# Allegro board HI3516AREFB VER.D.brd (continued)
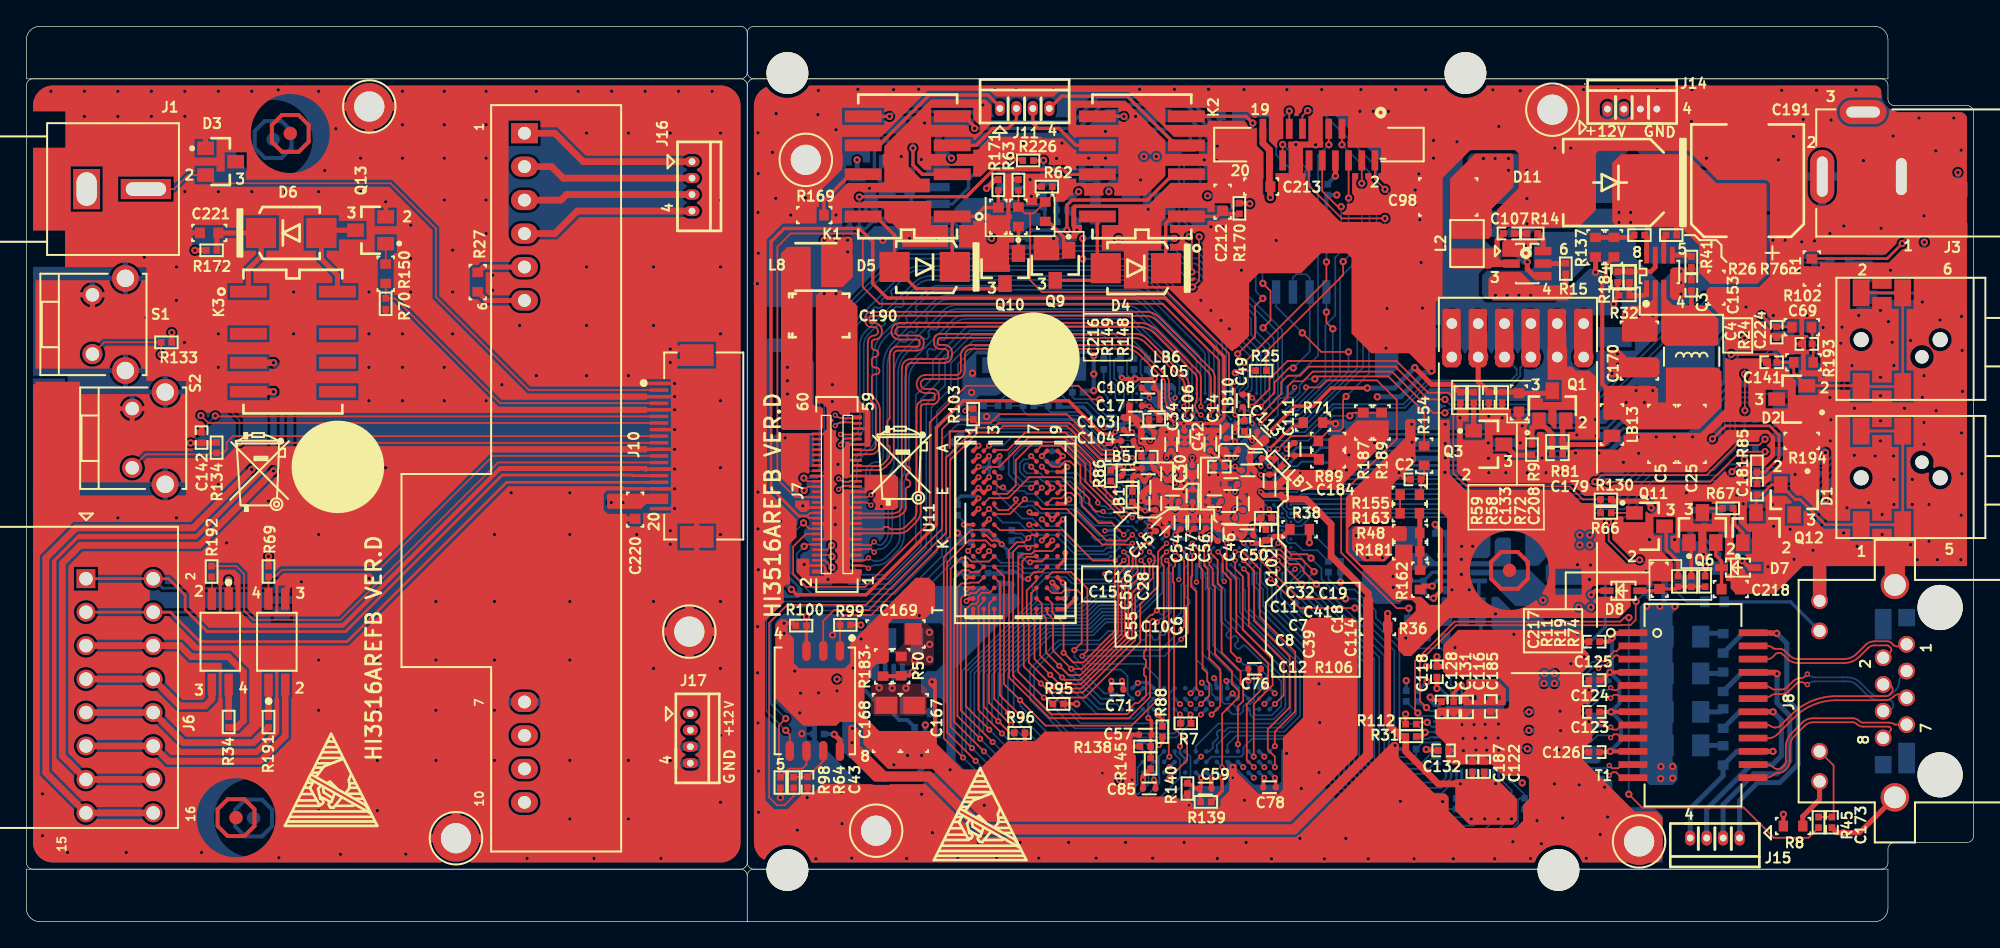
[diagram p0: board, top side]
## Routing (per net, layer and track width the routed paths; a pad name or vN(x,y) marks a point on that pad's centre or on a via; arc(x,y) is an arc through that point) (continued)
PGND: length 186.1
  TOP w0.203: J10.17 46.93,32.86
  TOP w0.254: 46.78,40.86 J10.1 v1(49.18,40.86) ; 46.76,39.86 J10.3 v1(49.18,39.86) ; J10.20 v1(49.18,31.36) ; v1(49.18,35.86) J10.11 46.82,35.86 ; J10.17 v1(49.18,32.86) ; v1(49.18,34.36) J10.14 46.93,34.36 ; v1(49.18,38.86) J10.5 46.74,38.86 ; J10.8 v1(49.18,37.36)
  TOP w0.305: Q13.2 v1(27.26,54.65)
  TOP w0.381: S1.1 6.11,47.59 ; S1.1 3.92,47.59 ; S1.1 5.01,46.5 ; D3.1 13.6,59.94 ; 8.03,37.86 S2.1 ; S2.1 6.94,38.95 ; S2.1 9.12,38.95 ; R70.1 27.26,45.89 ; C221.2 12.36,52.29 ; 50.86,30.42 J10.21 50.86,27.76 ; v1(20.86,25.8) 20.25,25.8 19.64,25.19 U9.3 ; 12.71,37.16 C142.2 13.29,37.74 ; C220.2 45.1,30.58
  TOP w0.508: v1(48.85,43.47) 50.4,43.47 J10.22 50.31,42.46 v1(48.85,42.46)
  TOP w0.635: 23.91,61.88 M10.1 ; M10.1 26.02,59.77 ; M10.1 28.13,61.88 ; M11.1 50.3,24.13 ; M11.1 48.19,22.02 ; M11.1 50.3,19.91 ; M11.1 52.41,22.02 ; M9.1 34.7,6.33 ; M9.1 32.6,8.44 ; M9.1 30.49,6.33
  GND03 w0.381: S2.4 10.53,34.55 ; S2.4 10.53,31.86 ; S2.4 11.88,33.2 ; S2.4 9.19,33.2 ; S1.4 7.51,43.18 ; S1.4 6.17,41.84 ; S1.4 7.51,40.49 ; S1.4 8.86,41.84 ; S2.1 8.03,40.04 ; S2.1 6.94,38.95 ; S2.1 8.03,37.86 ; S2.1 9.12,38.95 ; 3.92,47.59 S1.1 ; S1.1 5.01,48.68 ; S1.1 6.11,47.59 ; S1.1 5.01,46.5 ; M9.1 32.6,9.44 ; M9.1 35.07,6.33 ; M9.1 30.25,6.33 ; M11.1 52.41,22.02 ; M11.1 48.19,22.02 ; M11.1 50.3,24.13 ; M11.1 50.3,19.91 ; J17.4 50.38,11.1 ; J17.4 49.54,12.04 ; J17.4 51.44,12.04 ; J1.2 4.57,57.47 ; J1.2 3.23,55.61 ; J1.2 5.92,55.61 ; J1.2 4.57,53.76 ; 9.19,40.2 S2.3 ; S2.3 11.88,40.2 ; S2.3 10.53,41.55 ; S2.3 10.53,38.86 ; U1.7 37.79,15.68 ; U1.7 37.79,17.82 ; U1.7 36.54,16.68 ; U1.7 39.21,16.68 ; 23.91,61.88 M10.1 ; M10.1 28.13,61.88 ; M10.1 26.02,59.77 ; 49.46,13.29 J17.3 51.49,13.29
  BOTTOM w0.381: 6.94,38.95 S2.1 ; S2.1 9.12,38.95 ; S2.1 8.03,40.04 ; S2.4 11.88,33.2 ; S2.4 10.53,34.55 ; S2.4 9.19,33.2 ; S2.4 10.53,31.86 ; S1.4 7.51,43.18 ; S1.4 7.51,40.49 ; S1.4 6.17,41.84 ; S1.4 8.86,41.84 ; S1.3 7.51,50.18 ; S1.3 6.17,48.84 ; S1.3 7.51,47.49 ; S1.3 8.86,48.84 ; 4.63,38.88 J12.4 5.8,38.02 ; S2.3 10.53,41.55 ; S2.3 10.53,38.86 ; S2.3 11.88,40.2 ; S2.3 9.19,40.2 ; S1.1 5.01,48.68 ; S1.1 3.92,47.59 ; S1.1 6.11,47.59 ; S1.1 5.01,46.5
  BOTTOM w0.635: M10.1 28.13,61.88 ; M10.1 26.02,59.77 ; M10.1 23.91,61.88 ; 39.34,16.68 U1.7 36.31,16.68 ; 49.4,13.29 J17.3 51.47,13.29 ; M11.1 50.3,24.9 ; M11.1 52.9,22.02 ; M11.1 47.87,22.02 ; M11.1 50.3,19.53 ; M9.1 30.17,6.33 ; M9.1 32.6,9.22 ; M9.1 35.2,6.33 ; 51.47,12.04 J17.4 49.46,12.04
  vias: v1(1.23,9.7) v1(1.23,6.52) v1(1.86,63.04) v1(3.13,5.25) v1(4.4,63.04) v1(4.4,61.13) v1(6.94,63.04) v1(6.94,61.13) v1(6.94,30.65) v1(7.58,5.25) v1(8.95,50.44) v1(9.08,45.87) v1(9.48,63.04) v1(9.48,61.13) v1(11.39,49.7) v1(11.39,47.16) v1(11.39,30.65) v1(12.02,63.04) v1(12.02,61.13) v1(12.02,55.42) v1(12,43.96) v1(13.29,5.25) v1(14.56,63.04) v1(14.56,55.42) v1(14.56,49.7) v1(14.56,47.16) v1(14.56,44.62) v1(14.56,42.08) v1(14.56,33.19) v1(15.2,28.75) v1(17.1,63.04) v1(17.1,55.42) v1(18.37,31.92) v1(19.11,63.14) v1(19.16,4.85) v1(19.64,55.42) v1(20.28,47.8) v1(20.28,44.62) v1(22.18,63.04) v1(22.18,55.42) v1(22.18,34.46) v1(22.18,29.38) v1(22.18,19.86) v1(22.18,16.05) v1(22.18,12.24) v1(22.18,8.43) v1(22.64,57.02) v1(23.48,60.19) v1(23.83,5.11) v1(25.36,57.96) v1(25.36,55.42) v1(25.99,47.8) v1(25.99,44.62) v1(25.99,42.08) v1(25.99,39.54) v1(26.02,26.06) v1(26.63,19.86) v1(26.63,16.05) v1(26.63,12.24) v1(26.63,8.43) v1(27.26,34.46) v1(28.53,63.04) v1(28.53,60.5) v1(28.53,57.96) v1(28.53,44.62) v1(28.53,42.08) v1(28.53,39.54) v1(28.79,5.13) v1(29.17,52.88) v1(29.17,50.34) v1(29.17,47.8) v1(31.07,24.3) v1(31.07,19.86) v1(31.07,16.05) v1(31.07,12.24) v1(31.71,63.04) v1(31.71,60.5) v1(31.71,57.96) v1(31.71,54.78) v1(31.71,42.08) v1(31.71,39.54) v1(32.34,50.97) v1(32.34,47.8) v1(32.34,44.62) v1(34.88,63.04) v1(34.88,60.5) v1(34.88,57.96) v1(34.88,54.78) v1(34.88,52.24) v1(34.88,39.54) v1(35.39,49.07) v1(35.39,47.93) v1(35.52,29.38) v1(35.52,24.3) v1(35.52,19.86) v1(35.52,16.05) v1(35.52,12.24) v1(36.08,40.76) v1(36.79,32.56) v1(37.42,45.26) v1(37.99,4.8) v1(38.69,63.04) v1(38.69,41.45) v1(41.23,32.56) v1(41.23,29.38) v1(41.23,24.3) v1(41.23,19.86) v1(41.23,12.24) v1(41.23,7.79) v1(41.87,63.04) v1(42.5,59.86) v1(42.5,49.7) v1(42.5,45.26) v1(42.5,41.45) v1(43.07,4.8) v1(44.41,63.04) v1(45.68,59.86) v1(45.68,41.45) v1(45.68,12.24) v1(45.68,7.79) v1(46.31,29.38) v1(46.95,63.04) v1(47.58,49.7) v1(47.58,45.26) v1(47.58,24.3) v1(47.58,19.22) v1(48.15,4.8) v1(48.85,59.86) v1(48.85,29.67) v1(48.85,28.66) v1(48.85,12.24) v1(49.49,63.04) v1(52.03,63.04) v1(52.66,59.86) v1(52.66,54.78) v1(52.66,49.7) v1(52.66,44.62) v1(52.66,39.54) v1(52.66,34.46) v1(52.66,29.38) v1(52.66,24.3) v1(52.66,19.22) v1(52.66,14.14) v1(52.66,9.06)
A-_WHITE: length 21.8
  TOP w0.254: K1.4 71.15,61.13 71.94,60.35 v1(71.94,60.22)
  BOTTOM w0.254: v1(71.94,60.22) 79.81,60.22 81.62,62.02 87.97,62.02 89.56,60.43 U13.2
A_RED: length 8.2
  TOP w0.254: K2.5 83.27,61.13 v1(83.27,61.13)
  BOTTOM w0.254: v1(83.27,61.13) 84.23,60.17 87.76,60.17 88.31,59.62 U13.16
AC_MIC_IN: length 56.2
  TOP w0.203: v1(129.35,43.06) 132.71,43.06 132.82,42.95 C141.1 R193.1 134.09,41.68 135.08,40.69 139.15,40.69 J5.1 J5.3 J5.4 J5.2
  BOTTOM w0.203: v1(129.35,43.06) 129.22,42.93 129.22,40.75 125.94,37.46 121.19,37.46 119.95,36.22 117.25,36.22 116.78,35.74 102.86,35.74 C182.2
AC_MICBIAS: length 44.4
  TOP w0.203: v1(131.66,46.02) 132.52,45.16 C224.1 133.94,45.16 R102.2
  BOTTOM w0.203: U8.R22 96.38,35.99 97.44,35.99 98.05,36.6 C214.1 100.9,36.6 101.3,37 114.13,37 114.61,37.49 119.95,37.49 120.91,38.45 125.56,38.45 128.4,41.29 128.4,44.12 130.31,46.02 v1(131.66,46.02)
AC_OUTL: length 46.4
  TOP w0.203: C181.2 131.31,34.13 R85.2 131.91,34.13 132.98,35.2 132.98,36.93 132.27,37.64 128.91,37.64 v1(127.92,36.65)
  BOTTOM w0.152: C33.1 96.75,34.92 96.4,34.57 95.15,34.57 94.96,34.76 94.96,35.04 94.78,35.22 94.32,35.22 U8.R19
  BOTTOM w0.203: C33.1 98.27,34.86 100.53,34.86 101.05,34.34 103.61,34.34 103.92,34.64 119.79,34.64 121.32,36.17 127.44,36.17 v1(127.92,36.65)
AC_VREF: length 3.1
  TOP w0.203: v2(95.61,35.22) 95.78,35.39 96.22,35.39 C111.1 97.78,35.39 C184.1
  BOTTOM w0.203: U8.R21 v2(95.61,35.22)
ALARM_IN: length 15.3
  TOP w0.508: J6.9 J6.10 11.91,13.59 17.21,13.59 R191.2
ALARM_IN_CON: length 35.1
  TOP w0.127: J10.12 35.39,35.36 26.75,26.72 19.39,26.72 18.85,26.18 R69.1 18.37,26.17 U9.4
ALARM_IN_GND: length 20.3
  TOP w0.508: J6.11 J6.12 10.77,12.19 17.74,12.19 19.64,14.09 U9.2
ALARM_OUT: length 17.8
  TOP w0.508: R34.2 15.36,14.75 15.96,14.75 16.47,15.25 16.47,18.97 15.32,20.11 12.51,20.11 11.67,20.96 J6.6 J6.5
ALARM_OUT_CON: length 42.2
  TOP w0.127: R192.1 15.93,26.99 16.52,26.4 16.52,23.62 17.23,22.91 23.83,22.91 35.78,34.86 J10.13
ALARM_OUT_GND: length 11.7
  TOP w0.508: U10.3 14.08,16.89 13.57,16.38 11.66,16.38 J6.8 J6.7
B-_GREEN: length 29.4
  TOP w0.254: v1(65.49,61.13) K1.5
  BOTTOM w0.254: U13.3 90.06,60.57 88.04,62.58 81.29,62.58 79.43,60.73 72.45,60.73 71.69,61.49 65.84,61.49 v1(65.49,61.13)
B_BLACK: length 7.9
  TOP w0.254: v1(93.05,60.63) 92.54,61.13 K2.4
  BOTTOM w0.254: v1(93.05,60.63) 93.05,60.14 91.98,59.08 U13.5
CONT+: length 16.4
  TOP w0.254: v1(78.95,52.5) 78.95,54.4 79.33,54.78 85.05,54.78 87,56.73 K2.2
  BOTTOM w0.254: R206.1 C248.1 76,52.22 76.28,52.5 v1(78.95,52.5)
CONT+/B_BLACK: length 12.3
  TOP w0.254: K2.3 87.25,58.93 83.52,62.66 78.54,62.66 J11.4
CONT-: length 22.9
  TOP w0.254: v1(63.2,55.01) 63.23,55.04 71.33,55.04 73.41,57.12 78.65,57.12 79.03,56.73 K2.7
  BOTTOM w0.254: R203.1 63.66,52.6 C247.1 v1(63.2,55.01)
CONT-/A_RED: length 6.7
  TOP w0.254: K2.6 79.63,58.93 78.34,60.22 76.77,60.22 76.36,60.62 J11.3
DC_IRIS_PWM: length 23.5
  TOP w0.127: v1(80.14,51.86) v1(80.14,50.31)
  BOTTOM w0.127: v1(80.14,50.31) 86.6,50.31 88.16,48.75 88.92,48.75 92.16,45.51 92.16,44.17 93.34,42.99 U8.AB18 ; v1(80.14,51.86) 80.6,51.86 81.11,52.37 R186.1
DDR3_1_VREF_CA: length 4.8
  TOP w0.254: R145.1 R138.2 85.3,14.13 C57.1 85.36,15.22 v3(85.12,15.46)
  BOTTOM w0.203: U12.M8 85.12,16.52 v3(85.12,15.46)
DDR3_1_VREF_DQ: length 3.6
  TOP w0.254: C59.1 89.13,10.26 v3(89.13,10.93) ; C59.1 88.7,10.11 88.43,10.38 88.22,10.38 R140.2 ; C59.1 89.09,9.99 R139.1
  BOTTOM w0.254: v3(89.13,10.93) 88.73,11.33 U12.H1
DDR3_2_VREF_CA: length 5.2
  TOP w0.13: U11.M8 77.04,26.54 76.46,26.54 76,26.08 v3(76,26.01)
  BOTTOM w0.254: v3(76,26.01) 75.65,26.01 75.1,26.55 C62.1 74.7,26.49 R141.2 73.85,26.46 R142.1
DDR3_2_VREF_DQ: length 3.2
  TOP w0.254: v3(71.13,30.15) 71.13,30.15 71.13,30.14 U11.H1
  BOTTOM w0.13: R144.1 71.13,30.38 v3(71.13,30.15) 71.58,29.69 C64.1 71.71,29.6 R143.2
DDR3_A0: length 40.4
  TOP w0.13: U11.N3 73.87,25.71 73.87,17.18 v3(75.38,15.68)
  BOTTOM w0.13: U12.N3 84.34,13.31 77.75,13.31 v3(75.38,15.68) 74.91,16.14 74.91,18.93 77.72,21.74 80.93,21.74 81.92,22.73 83.93,22.73 86.19,24.99 U8.A7
DDR3_A1: length 29.6
  TOP w0.13: v2(84.56,27.42) 84.82,27.16 84.82,26.52 83.61,25.31 83.61,21.63 80.01,18.03 78.39,18.03 v3(77.68,18.74) 76.49,19.94 76.49,22.91 76.23,23.16 76.23,24.93 U11.P7
  BOTTOM w0.13: U8.C5 v2(84.56,27.42) ; v3(77.68,18.74) 78.75,17.67 79.31,17.67 81.21,15.77 83.57,15.77 U12.P7
DDR3_A2: length 47.1
  TOP w0.13: U11.P3 73.06,24.96 72.5,24.96 72.22,24.68 72.22,24.3 72.04,24.13 71.71,24.13 71.28,23.7 71.28,16.35 v3(73.06,14.58)
  BOTTOM w0.13: U8.B5 84.56,26.77 84.56,25.55 83.04,24.02 81.39,24.02 80.39,23.03 77.19,23.03 72.91,18.75 72.91,14.73 v3(73.06,14.58) 76.84,10.79 82.33,10.79 82.72,11.19 82.72,11.46 82.98,11.72 83.26,11.72 83.52,11.99 83.52,12.52 U12.P3
DDR3_A3: length 51.1
  TOP w0.13: U11.N2 72.24,25.74 71.6,25.74 71.53,25.68 70.95,25.68 70.64,25.37 70.64,15.62 v3(72.37,13.89)
  BOTTOM w0.13: U8.B4 84.24,26.9 83.92,26.58 83.92,25.79 82.67,24.54 81.17,24.54 80.18,23.55 76.97,23.55 72.3,18.88 72.3,13.96 v3(72.37,13.89) 74.91,11.35 76.3,9.96 83.83,9.96 84.31,10.43 84.31,11.71 U12.N2
DDR3_A4: length 30
  TOP w0.13: U11.P8 77.84,24.94 78.52,24.94 78.77,25.19 79.71,25.19 80.07,24.84 80.07,21.18 v3(79.51,20.62) ; v2(87.59,22.14) 87.84,22.39 87.84,27.39 v2(87.16,28.07)
  BOTTOM w0.13: U12.P8 83.55,17.3 83.55,18.64 83.05,19.14 80.49,19.14 79.51,20.11 v3(79.51,20.62) 86.07,20.62 v2(87.59,22.14) ; U8.C9 v2(87.16,28.07)
DDR3_A5: length 48.2
  TOP w0.13: U11.P2 72.42,25.34 72.02,24.94 71.64,24.94 71.51,24.81 71.18,24.81 70.9,24.53 70.9,16.05 v3(73.31,13.64)
  BOTTOM w0.13: U12.P2 83.92,11.91 83.52,11.51 83.52,11.02 83.45,10.96 83.45,10.52 83.15,10.21 76.73,10.21 v3(73.31,13.64) 72.6,14.35 72.6,18.81 77.08,23.29 80.29,23.29 81.28,24.28 82.82,24.28 84.26,25.73 84.26,26.42 U8.A4
DDR3_A6: length 21.8
  TOP w0.13: U11.R8 77.84,24.14 77.84,23.48 78.7,22.63 v3(78.7,20.42) 79.43,19.68 80.2,19.68 82.58,22.06 82.58,26.74 v2(83.26,27.42)
  BOTTOM w0.13: U12.R8 82.72,17.33 81.79,17.33 v3(78.7,20.42) ; U8.C3 v2(83.26,27.42)
DDR3_A7: length 41.7
  TOP w0.13: v3(74.02,14.28) 72.24,16.06 72.24,23.94 72.64,24.34 U11.R2
  BOTTOM w0.13: U8.A5 84.89,25.41 83.24,23.77 81.49,23.77 80.5,22.77 77.29,22.77 73.27,18.74 73.27,15.04 v3(74.02,14.28) 76.58,11.72 82.46,11.72 82.86,12.12 U12.R2
DDR3_A8: length 21.7
  TOP w0.13: U11.T8 77.44,23.43 77.89,22.97 77.89,20.59 v3(79.28,19.2) 80.08,19.2 82.83,21.95 82.83,26.33 83.66,27.15 83.66,27.68 v2(83.26,28.07)
  BOTTOM w0.13: U8.D4 83.91,28.07 v2(83.26,28.07) ; U12.T8 81.55,16.93 v3(79.28,19.2)
DDR3_A9: length 39.6
  TOP w0.13: v3(74.69,14.96) 73.04,16.62 73.04,24.14 U11.R3
  BOTTOM w0.13: U8.A6 85.54,26.44 85.54,25.17 83.61,23.25 81.71,23.25 80.72,22.26 77.51,22.26 74.01,18.75 74.01,15.65 v3(74.69,14.96) 77.13,12.52 82.72,12.52 U12.R3
DDR3_A10: length 39.5
  TOP w0.13: U11.L7 76.6,27.7 75.89,27.7 75.57,27.38 75.57,22.91 75.67,22.81 75.67,19.38 v3(76.97,18.08) 77.65,17.4 80.15,17.4 84.13,21.38 84.13,24.76 85.48,26.11 85.48,27.13 85.6,27.25 85.6,27.68 v2(85.21,28.07)
  BOTTOM w0.13: U8.C6 v2(85.21,28.07) ; v3(76.97,18.08) 79.99,15.06 85.91,15.06 86.32,15.47 U12.L7
DDR3_A11: length 26.8
  TOP w0.13: v2(85.21,28.72) 84.61,28.72 83.94,28.04 83.94,26.85 83.09,26.01 83.09,21.85 79.96,18.72 79.08,18.72 v3(78.37,19.42) 77.35,20.44 77.35,23.06 77.04,23.37 77.04,24.14 U11.R7
  BOTTOM w0.13: U12.R7 82.72,16.53 81.49,16.53 79.43,18.59 79.2,18.59 v3(78.37,19.42) ; U8.D6 v2(85.21,28.72)
DDR3_A12: length 32.9
  TOP w0.13: v2(85.21,27.42) 85.21,26.31 83.87,24.97 83.87,21.52 80.05,17.7 78.04,17.7 v3(77.88,17.85) 76.06,19.68 76.06,22.88 75.9,23.03 75.9,25.14 76.64,25.88 U11.N7
  BOTTOM w0.13: v3(77.88,17.85) 78.85,16.89 78.85,16.66 80.09,15.41 84.01,15.41 U12.N7 ; U8.C7 85.86,27.42 v2(85.21,27.42)
DDR3_A13: length 36.5
  TOP w0.13: v3(74.48,15.87) 73.44,16.91 U11.T3
  BOTTOM w0.13: U8.B7 85.86,26.77 85.86,25.07 83.78,22.99 81.82,22.99 80.82,22 77.62,22 74.48,18.86 v3(74.48,15.87) 77.43,12.92 82.32,12.92 U12.T3
DDR3_A14: length 24.4
  TOP w0.13: U11.T7 76.64,23.29 76.92,23.01 76.92,20.2 v3(78.58,18.54) 78.76,18.36 79.97,18.36 83.35,21.74 83.35,25.58 84.31,26.54 84.31,26.97 84.17,27.11 84.17,27.68 v2(84.56,28.07)
  BOTTOM w0.13: U12.T7 81.36,16.12 79.38,18.11 79.01,18.11 v3(78.58,18.54) ; U8.D5 v2(84.56,28.07)
DDR3_BA0: length 54.1
  TOP w0.13: v3(72.65,12.92) 70.38,15.2 70.38,26.05 71,26.67 71.51,26.67 71.64,26.54 72.24,26.54 U11.M2
  BOTTOM w0.13: U12.M2 85.13,11.73 85.13,10.44 84.38,9.7 75.88,9.7 v3(72.65,12.92) 71.92,13.66 71.92,18.86 76.86,23.81 80.03,23.81 81.02,24.8 82.37,24.8 83.59,26.02 U8.A3
DDR3_BA1: length 34.3
  TOP w0.13: v2(80.09,20.16) 80.5,20.57 80.5,25.29 79.26,26.54 77.84,26.54 U11.N8 ; v2(87.16,28.72) 88.12,27.76 88.12,21.94 v2(87.61,21.43)
  BOTTOM w0.114: U8.D9 v2(87.16,28.72)
  BOTTOM w0.13: U12.N8 85.14,17.34 85.68,17.34 85.92,17.59 85.92,18.4 84.75,19.57 80.69,19.57 v2(80.09,20.16) 86.34,20.16 v2(87.61,21.43)
DDR3_BA2: length 47.1
  TOP w0.13: v2(86.51,28.07) 86.12,27.68 86.12,27.19 86.29,27.02 86.29,22.2 85.99,21.89 85.99,17.01 83.85,14.88 77.33,14.88 v3(75.39,16.81) 74.17,18.03 74.17,26.2 U11.M3
  BOTTOM w0.13: U8.D8 86.83,28.4 v2(86.51,28.07) ; v3(75.39,16.81) 75.39,16.4 78.2,13.6 84.84,13.6 U12.M3
DDR3_CAS_N: length 63.1
  TOP w0.13: v3(72.02,12.2) 69.86,14.36 69.86,27.28 71.52,28.94 72.79,28.94 73.19,28.54 U11.K3
  BOTTOM w0.13: U12.K3 87.12,12.71 87.52,12.32 87.52,10.93 85.77,9.18 75.05,9.18 v3(72.02,12.2) 71.28,12.95 71.28,18.96 76.66,24.34 76.66,25.45 77.38,26.16 78.85,26.16 79.33,25.68 82.48,25.68 82.94,26.13 U8.A2
DDR3_CKE: length 46.3
  TOP w0.13: v2(86.51,28.72) 85.87,28.08 85.87,25.45 84.51,24.09 84.51,21.22 80.31,17.01 78.37,17.01 R95.2 77.4,17.01 v3(77.2,17.01) 75.26,18.95 75.26,27.65 75.54,27.93 76.27,27.93 76.49,28.14 77.84,28.14 U11.K9
  BOTTOM w0.13: v2(86.51,28.72) 86.19,28.4 U8.D7 ; U12.K9 86.72,17.32 86.72,15.36 86.03,14.67 79.54,14.67 v3(77.2,17.01)
DDR3_CLK0_N: length 35.1
  TOP w0.127: v3(87.53,15.73) 87.56,15.69 R7.1
  BOTTOM w0.127: U12.K7 87.13,16.12 v3(87.53,15.73) 87.83,15.42 87.83,15.01 87.11,14.29 79.11,14.29 76.46,16.94 76.46,19.07 78.44,21.05 81.51,21.05 82.23,21.76 83.37,21.76 83.49,21.64 83.49,21.52 83.62,21.4 83.85,21.4 83.98,21.52 83.98,21.64 84.1,21.76 84.33,21.76 84.46,21.64 84.46,21.52 84.59,21.4 84.82,21.4 84.94,21.52 84.94,21.64 85.07,21.76 85.3,21.76 85.43,21.64 85.43,21.52 85.55,21.4 85.78,21.4 85.91,21.52 85.91,21.64 86.04,21.76 86.34,21.76 87.92,23.34 87.92,23.9 88.04,24.03 88.12,24.03 88.25,24.16 88.25,24.41 88.12,24.54 88.04,24.54 87.92,24.67 87.92,25.43 88.14,25.65 U8.A10
DDR3_CLK0_P: length 35.1
  TOP w0.127: R7.2 88.37,15.68 v3(88.32,15.73)
  BOTTOM w0.127: U8.B10 87.83,26.79 87.83,25.77 87.61,25.55 87.61,23.47 86.22,22.07 82.1,22.07 81.39,21.36 78.31,21.36 76.16,19.2 76.16,16.81 78.98,13.99 87.23,13.99 88.13,14.89 88.13,15.53 v3(88.32,15.73) 87.92,16.12 U12.J7
DDR3_CLK1_N: length 37.1
  TOP w0.127: v3(85.77,23.63) 85.43,23.29 85.3,23.29 84.94,22.93 84.94,20.64 84.87,20.56 84.87,20.56 84.79,20.48 84.79,20 84.87,19.92 84.87,19.92 84.94,19.85 84.94,19.37 84.87,19.29 84.87,19.29 84.79,19.21 84.79,18.73 84.87,18.66 84.87,18.66 84.94,18.58 84.94,17.17 84.36,16.59 84.11,16.59 83.77,16.24 83.77,15.99 83.52,15.74 77.78,15.74 74.86,18.66 74.86,28.09 75.27,28.49 75.91,28.49 v3(76.03,28.37) 76.2,28.54 U11.K7
  BOTTOM w0.127: U8.B8 86.53,26.79 86.53,26.45 86.53,23.6 86.24,23.31 86.09,23.31 v3(85.77,23.63) ; R6.1 75.01,29.16 75.4,29.16 75.59,28.97 75.59,28.82 v3(76.03,28.37)
DDR3_CLK1_P: length 37.2
  TOP w0.127: v3(85.77,22.74) 85.53,22.98 85.43,22.98 85.25,22.81 85.25,17.04 83.65,15.44 77.66,15.44 74.56,18.54 74.56,28.22 75.14,28.8 75.7,28.8 v3(76.03,29.13) 76.24,29.34 U11.J7
  BOTTOM w0.127: R6.2 75.01,29.46 75.52,29.46 75.85,29.13 v3(76.03,29.13) ; U8.A8 86.84,23.48 86.37,23.01 86.04,23.01 v3(85.77,22.74)
DDR3_CS0_N: length 16
  TOP w0.13: v2(86.51,27.42) 86.67,27.26 86.67,12.57 v3(86.72,12.53)
  BOTTOM w0.13: v2(86.51,27.42) 86.83,27.75 U8.C8 ; U12.L2 86.32,12.13 v3(86.72,12.53)
DDR3_CS1_N: length 10.5
  TOP w0.13: U11.L2 72.64,27.74 v3(73.04,28.14)
  BOTTOM w0.13: v3(73.04,28.14) 73.93,27.25 75.29,27.25 75.72,26.82 76.5,26.82 76.77,27.1 U8.B1
DDR3_DM0: length 15.1
  BOTTOM w0.13: U8.B12 89.77,26.76 89.77,25.45 90.03,25.19 90.03,20.98 91.93,19.07 92.74,19.07 93.14,18.68 93.14,18.46 93.14,18.45 93.14,16.8 92.86,16.52 92.53,16.52 92.33,16.32 92.33,15.99 92.08,15.74 91.5,15.74 91.39,15.85 91.39,15.86 U12.E7
DDR3_DM1: length 16.8
  TOP w0.13: v2(89.76,28.07) 90.38,27.45 90.38,25.65 90.69,25.35 90.69,20.44 92.12,19.01 92.12,18.03 92.32,17.83 92.32,16.75 91.92,16.35 v3(91.92,13.47)
  BOTTOM w0.13: U8.D13 v2(89.76,28.07) ; v3(91.92,13.47) 91.92,12.93 U12.D3
DDR3_DM2: length 16.2
  TOP w0.13: v3(77.04,32.94) 76.64,32.54 U11.E7
  BOTTOM w0.13: U8.H3 83.27,31.31 82.79,31.31 82.61,31.49 82.61,31.82 82.46,31.97 82.13,31.97 81.92,32.18 81.92,32.89 78.7,36.11 75.67,36.11 74.91,35.35 74.91,34.06 75.57,33.4 76.58,33.4 v3(77.04,32.94)
DDR3_DM3: length 12.3
  TOP w0.13: U11.D3 73.81,32.97 v3(74.1,32.97)
  BOTTOM w0.13: U8.F4 83.91,30.02 82.13,30.02 82.08,30.07 81.06,30.07 79.49,31.64 77.33,31.64 76.49,32.48 75.93,32.48 75.7,32.71 74.35,32.71 v3(74.1,32.97)
DDR3_DQ0: length 20.4
  BOTTOM w0.13: U12.E3 91.12,13.44 91.8,14.12 95.77,14.12 97.04,15.39 97.04,19.1 92.46,23.67 92.46,25.14 92.34,25.27 92.34,26.15 U8.A16
DDR3_DQ1: length 15
  TOP w0.13: v2(89.76,28.72) 89.36,28.32 89.36,27.02 89.62,26.77 89.62,25.37 89.75,25.24 89.75,20.01 90.58,19.17 90.58,16.38 v3(89.92,15.72)
  BOTTOM w0.13: v3(89.92,15.72) 89.92,15.73 U12.F7 ; U8.D12 v2(89.76,28.72)
DDR3_DQ2: length 18.2
  TOP w0.13: v2(90.72,11.73) 90.72,15.78 91.98,17.04 91.98,17.52 91.47,18.03 91.47,19.02 90.18,20.32 90.18,25.4 90,25.57 90,26.81 89.76,27.05 v2(89.76,27.42)
  BOTTOM w0.13: U12.F2 v2(90.72,11.73) ; U8.C13 v2(89.76,27.42)
DDR3_DQ3: length 11.8
  BOTTOM w0.13: U8.C11 88.45,27.41 88.45,26.09 88.4,26.03 88.4,25.62 88.73,25.29 88.73,19.94 89.6,19.07 89.6,18.25 89.92,17.93 89.92,17.32 90.06,17.19 U12.F8
DDR3_DQ4: length 22.6
  BOTTOM w0.13: U12.H3 88.72,13.32 90.43,15.04 95.03,15.04 95.92,15.92 95.92,18.59 93.72,20.79 91.36,23.15 91.36,25.92 91.07,26.21 91.07,27.42 U8.C14
DDR3_DQ5: length 12.1
  TOP w0.13: v2(88.46,28.07) 88.46,26.29 88.39,26.21 88.39,25.44 88.77,25.05 88.77,17.68 v3(89.12,17.33)
  BOTTOM w0.13: U8.C10 v2(88.46,28.07) ; U12.H8 v3(89.12,17.33)
DDR3_DQ6: length 22.6
  BOTTOM w0.13: U8.A17 92.69,25.48 92.74,25.42 92.74,23.77 97.32,19.2 97.32,15.11 96.08,13.87 92.98,13.87 92.34,13.23 92.34,12.7 92.17,12.52 89.92,12.52 89.78,12.39 U12.G2
DDR3_DQ7: length 14
  TOP w0.13: v3(89.12,16.53) 89.75,17.15 89.75,18.1 89.6,18.25 89.6,18.88 89.24,19.24 89.24,26.72 88.98,26.97 88.98,28.2 v2(88.46,28.72)
  BOTTOM w0.13: U12.H7 88.72,16.13 v3(89.12,16.53) ; U8.D11 v2(88.46,28.72)
DDR3_DQ8: length 13.3
  BOTTOM w0.13: U12.D7 91.5,16.54 90.89,16.54 90.72,16.71 90.72,18.01 90.63,18.1 90.63,18.94 89.22,20.34 89.22,26.01 89.11,26.12 89.11,27.42 U8.C12
DDR3_DQ9: length 17.7
  TOP w0.13: v3(93.12,12.53) 93.12,16.53 94.56,17.97 94.56,19.9 92.29,22.17 92.29,26.21 91.71,26.78 v2(91.71,27.42)
  BOTTOM w0.127: v2(91.71,27.42) 91.39,27.74 U8.C15
  BOTTOM w0.13: U12.C3 92.72,12.93 v3(93.12,12.53)
DDR3_DQ10: length 10.9
  BOTTOM w0.13: U12.C8 92.46,17.19 92.46,17.19 92.32,17.32 92.32,17.99 89.62,20.7 89.62,25.12 89.48,25.26 89.48,26.1 89.44,26.15 U8.A12
DDR3_DQ11: length 20.2
  TOP w0.13: v2(91.06,28.72) 91.06,26.8 91.8,26.06 91.8,22.02 94.22,19.6 94.22,18.13 92.59,16.51 92.59,12.26 v3(93.13,11.73)
  BOTTOM w0.13: v3(93.13,11.73) 92.73,12.12 U12.C2 ; U8.D15 v2(91.06,28.72)
DDR3_DQ12: length 12.8
  TOP w0.13: v3(94.72,16.53) 95.38,17.19 95.38,19.83 92.74,22.48 92.74,26.39 v2(92.36,26.77)
  BOTTOM w0.13: v3(94.72,16.53) 94.32,16.13 U12.A7 ; v2(92.36,26.77) 92.04,27.1 U8.B16
DDR3_DQ13: length 19.1
  TOP w0.13: v2(92.36,27.42) 92.36,27.42 93.15,26.63 93.15,22.83 95.84,20.14 95.84,16.25 94.19,14.6 94.19,13.06 94.72,12.52 v3(94.72,11.72)
  BOTTOM w0.13: v3(94.72,11.72) 94.32,12.12 U12.A2 ; U8.C16 92.36,27.42 v2(92.36,27.42)
